# Altium PCB 主控板V3.PcbDoc (continued)
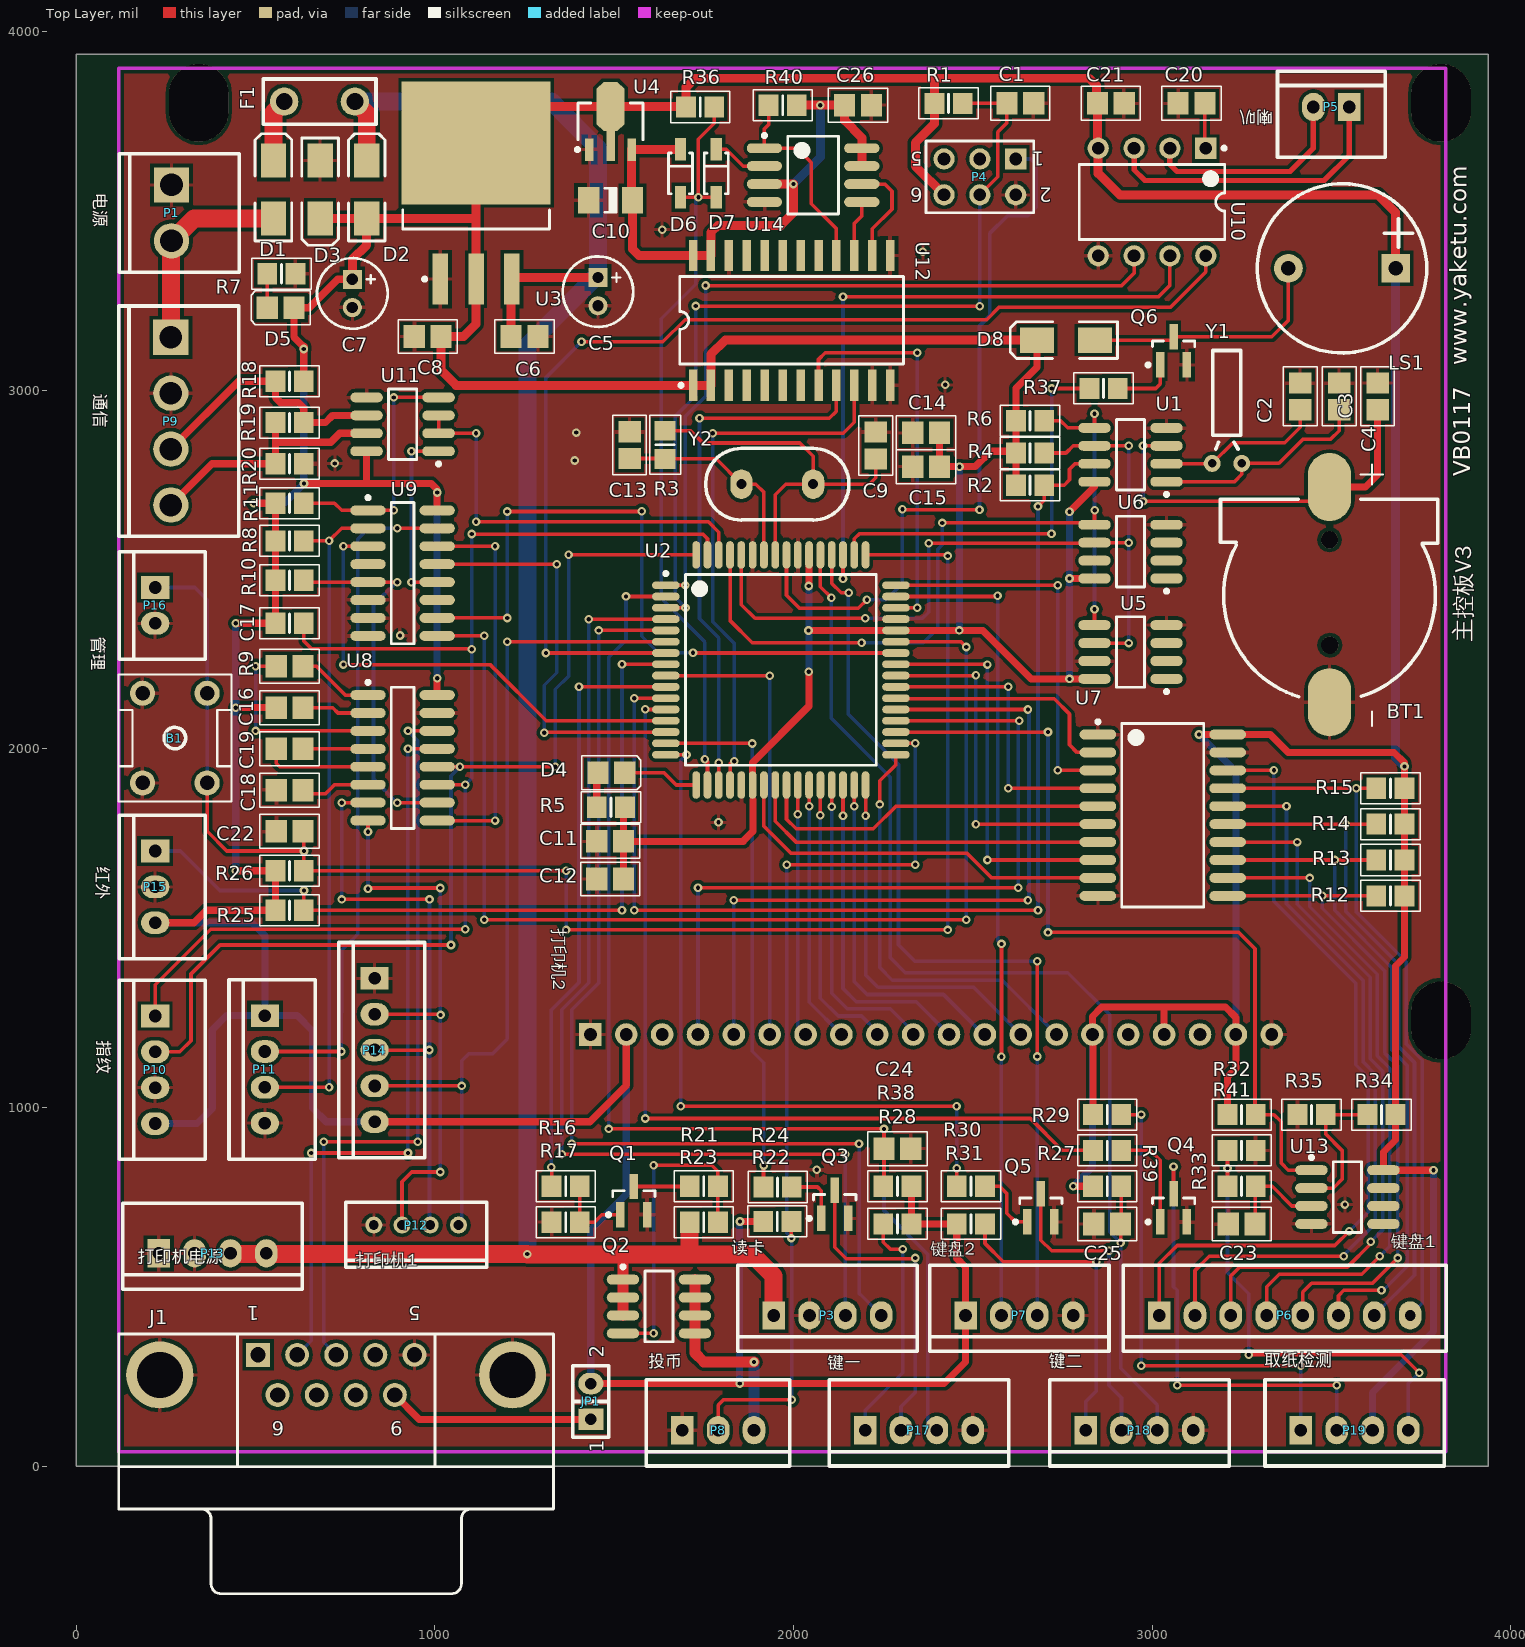
[diagram p0: Top Layer view]
## Nets (pads, with @x,y where several pads share a name; then routed paths per layer and width w, separated by ;. In a path a pad name is that pad's centre, name@x,y a point inside that pad or via, vN(x,y) a via of type N, cw(c..) or ccw(c..) an arc to the next point about the centre after c; other vN are vias at no path point)
4052_A: U2.42 U9.10 | length 1944.5
  Top Layer w10: U9.10 v1(1202,2365) ; v1(1202,2662) v1@1577,2662 ; v1@1720,2267.24 U2.42
  Bottom Layer w10: v1(1202,2365) v1(1202,2662) ; v1(1577,2663) 1577,2314 1623,2268 v1(1720,2268)
4052_B: U2.43 U9.9 | length 3233.4
  Top Layer w10: U9.9 v1(1138,2315) ; v1(1138,1523) v1(2482,1523) ; U2.43 2468.26,2298.74 2468.26,2297.74 v1(2482,2284)
  Bottom Layer w10: v1@1138,1522 v1(1138,1523) v1(1138,2315) ; v1(2482,1523) v1(2482,2284) v1@2482,2285
+3.3V: C10.1 C26.2 D6.2 R40.2 U4.3 U12.23 U12.24 U14.3 U14.7 U14.8 | length 1691.5
  Top Layer w25: D6.2@1684.33,3671.26 U4.3 1549.06,3531.97 C10.1 1551.02,3393.98 1568.9,3376.1 U12.24 U12.23 1770,3440 1790,3460 1965,3460 2000,3495 v1(2000,3575) U14.3 ; R40.2 C26.2 2142.6,3752.4 2190.83,3704.17 U14.8 U14.7
  Bottom Layer w25: v1(2000,3575) 2075,3650 v1(2075,3795)
+12V: D1.1 P1.2 P9.1 | length 580.1
  Top Layer w50: P9.1 263.78,3414.8 P1.2 328.27,3479.29 D1.1
+12V_IN: C5.1 C6.2 D2.2 F1.2 P3.1 P13.3 P13.4 Q2.1 Q2.2 Q2.3 R23.2 U3.3 | length 6387.9
  Top Layer w25: C6.2 1212.6,3307.44 U3.3 ; U3.3@1219.53,3314.37 C5.1
  Top Layer w30: Q2.3 Q2.2 Q2.1 1524.61,589.61
  Top Layer w50: P13.3 432,591 v1(1258,591) ; F1.2 810,3771.85 D2.2 ; v1@1258,590 1525,590 ; 1524.61,589.61 1525,590 ; R23.2 1710.63,590.63 1710,590 ; P3.1 1945,530 1885,590 1710,590 ; 1525,590 1710,590
  Bottom Layer w50: F1.2 1325,3805 1455,3675 C5.1 1446.66,3314.37 1258,3125.71 v1(1258,591)
ADMIN: B1.1 B1.3 C22.2 P16.1 R26.1 U2.49 | length 4441.7
  Top Layer w10: B1.1 365,1770 420,1715 v1@634.37,1715 ; C22.2 634.37,1768.03 v1@634.37,1715 ; v1(635,1715) v1@634.37,1715 ; v1(1366,1495) v1(2430,1495) ; v1(1366,1660) R26.1 v1@634.37,1715 ; U2.49 2427.13,2540.87 v1(2430,2538)
  Bottom Layer w10: P16.1 330,2450 365,2415 B1.3 B1.1 ; v1(1366,1495) v1(1366,1660) ; v1(2430,1495) v1(2430,2538)
BKGD: P4.1 U2.56 | length 2028.7
  Top Layer w10: U2.56 1980.75,2428.25 2017,2392 2181,2392 v1(2205,2416) ; v1@2304,2666.25 v1@2518.75,2666.25
  Bottom Layer w10: v1(2205,2416) 2258,2416 2304,2462 v1(2304,2668) ; v1@2519,2664 2519,3179 2547,3207 2547,3437 2597,3487 2654,3487 2677,3510 2677,3630 2662,3645 P4.1
  other v1: 2519,2667
BUZZER: R37.1 U2.50 | length 1111.9
  Top Layer w10: U2.50 2169.72,2585.72 2184.25,2600.25 v1(2719.75,2600.25) v1@2720,2600 ; v1(2720,3005) R37.1
  Bottom Layer w10: v1@2720,2600 v1(2720,3005)
CLK_INT: R2.1 U1.7 U2.11 | length 3178.7
  Top Layer w10: v1(1556.26,1550) 1955,1550 v1@2681,1550 ; v1(1556.26,2141.26) U2.11 ; v1(2682,2676) 2699.37,2693.37 R2.1 2755,2735 2770,2750 2770,2780 2785,2795 U1.7
  Bottom Layer w10: v1(1556.26,1550) v1(1556.26,2141.26) ; v1(2682,1550) v1(2682,2676)
COIN: P8.2 R22.1 U2.34 | length 2577.6
  Top Layer w10: P8.2 1790,170 1805,185 v1(1995,185) ; v1(1981,1677) v1(2340,1677) ; v1(1994.37,635.63) R22.1 ; U2.34 v1(2339.72,2015.28)
  Bottom Layer w10: v1(1981,1677) 1981,649 v1(1994.37,635.63) ; v1(1995,185) v1@1995,637 ; v1(2339.72,2015.28) 2339.72,1710.28 v1(2340,1677)
COIN_EN: R16.1 U2.10 | length 1667
  Top Layer w10: R16.1 v1@1325.63,833 ; v1@1402,2172.76 U2.10
  Bottom Layer w10: v1(1325,833) 1325,1271.57 1402,1348.57 v1(1402,2173)
DB0: P2.7 U2.26 | length 689.6
  Top Layer w10: v1(2012.24,1817.76) U2.26@2012.24,1884.13
  Bottom Layer w10: v1(2012.24,1817.76) 2012.24,1225 P2.7
DB1: P2.8 U2.27 | length 733
  Top Layer w10: v1(2043.74,1840) U2.27
  Bottom Layer w10: v1(2043.74,1840) 2043.74,1293.5 P2.8
DB2: P2.9 U2.28 | length 785.1
  Top Layer w10: v1(2075,1815) 2075.24,1814.76 U2.28@2075.24,1884.13
  Bottom Layer w10: v1(2075,1815) 2075.24,1814.76 2075.24,1304.76 2125,1255 2190,1255 2233.82,1211.18 P2.9
DB3: P2.10 U2.29 | length 845.1
  Top Layer w10: v1(2106.73,1838.27) U2.29@2106.73,1884.13
  Bottom Layer w10: v1(2106.73,1838.27) 2106.73,1318.27 2150,1275 2270,1275 2333.82,1211.18 P2.10
DB4: P2.11 U2.30 | length 901.1
  Top Layer w10: v1(2138.23,1813.23) U2.30@2138.23,1884.13
  Bottom Layer w10: v1(2138.23,1813.23) 2138.23,1331.77 2175,1295 2342.24,1295 P2.11
DB5: P2.12 U2.31 | length 958.6
  Top Layer w10: v1@2169.72,1839.72 U2.31@2169.72,1884.13
  Bottom Layer w10: v1(2170,1840) 2169.72,1839.72 2169.72,1351.28 2206,1315 2418.28,1315 2529.86,1203.43 P2.12
DB6: P2.13 U2.32 | length 1015.9
  Top Layer w10: v1(2201.22,1813.78) U2.32@2201.22,1884.13
  Bottom Layer w10: v1(2201.22,1813.78) 2201.22,1369.78 2236,1335 2502.24,1335 P2.13
DB7: P2.14 U2.33 | length 1182.5
  Top Layer w10: v1(2241,1845) 2241,1911 2285.87,1955.87 U2.33
  Bottom Layer w10: v1(2241,1845) 2241,1390 2276,1355 2582.24,1355 P2.14
FLASH_MISO: D7.2 U14.2 | length 153.6
  Top Layer w10: D7.2 1813.07,3671.93 1860,3625 U14.2
FLASH_MOSI: U12.15 U14.5 | length 157.5
  Top Layer w10: U12.15 2170,3465 2190.83,3485.83 U14.5
FLASH_SPSCK: U12.14 U14.6 | length 294.1
  Top Layer w10: U14.6 2255,3575 2275,3555 2275,3505 2220,3450 U12.14
FLASH_SS: R40.1 U12.16 U14.1 | length 560
  Top Layer w10: R40.1 1930.63,3740.63 1919.17,3729.17 U14.1 2010,3675 2050,3635 2050,3520 2120,3450 U12.16
GND: B1.2 B1.4 BT1.2 C1.1 C2.2 C3.1 C4.2 C5.2 C6.1 C7.2 C8.1 C9.1 C10.2 C11.1 C12.1 C13.1 C14.1 C15.1 C18.1 C20.2 C21.1 C22.1 C23.1 C24.1 C25.1 C26.1 D3.1 J1.5 J1.10 J1.11 P1.1 P2.1 P2.20 P3.2 P4.2 P7.4 P8.1 P9.2 P10.3 P11.4 P12.4 P13.1 P13.2 P14.1 P15.2 P16.2 P17.4 P18.4 Q1.2 Q3.2 Q4.2 Q5.2 Q6.2 R7.1 R17.1 R20.1 R32.1 R35.1 U1.4 U2.21 U2.45 U2.55 U2.59 U3.1 U4.1 U5.4 U5.7 U6.4 U7.1 U7.10 U7.19 U8.15 U9.6 U9.7 U9.8 U10.5 U11.5 U12.11 U12.12 U12.13 U12.22 U13.4 U14.4
  other v1: 3538,729 2065,826 1791,1795 903,2316 721,2796 1390,2804 1394,2882 2423,3015 2361,3386 1634,3448
IR: P15.1 R25.1 U2.8 | length 2211.6
  Top Layer w10: v1(635,1605) 634.37,1604.37 R25.1 v1(1522,1550) ; v1@1522,2235.75 U2.8
  Bottom Layer w10: P15.1 290,1715 400,1605 v1(635,1605) ; v1(1522,1550) v1(1522,2236)
IRQ: C24.2 P17.3 R38.1 U2.2 | length 3445.5
  Top Layer w10: v1(1485,940) v1(2252.6,940) C24.2 2252.6,781.97 R38.1 ; v1@1533,2424.72 U2.2
  Bottom Layer w10: v1(1485,940) 1485,2255 1533,2303 v1(1533,2425) ; v1(2252.6,940) 2252.6,712.4 2375,590 2375,125 P17.3
KB_H1: U2.38 U7.2 | length 675.5
  Top Layer w10: U2.38@2285.87,2140 2727,2140 2770,2097 2770,2011 2791,1990 U7.2
KB_H2: U2.39 U7.4 | length 845.8
  Top Layer w10: U2.39 v1(2599.24,2172.76) ; v1(2599.24,1890) U7.4
  Bottom Layer w10: v1(2599.24,1890) v1(2599.24,2172.76)
KB_H3: U2.40 U7.6 | length 977.3
  Top Layer w10: U2.40 v1@2508.25,2204.25 ; v1(2509,1790) U7.6
  Bottom Layer w10: v1(2509,1790) v1(2509,2205)
KB_H4: U2.41 U7.8 | length 1107.3
  Top Layer w10: U2.41 v1@2540.25,2235.75 ; v1(2541,1690) U7.8
  Bottom Layer w10: v1(2541,1690) v1(2541,2235)
KB_V1: U2.23 U7.9 | length 1105.9
  Top Layer w10: U2.23 1917.76,1784.24 1993,1709 2484,1709 2514,1679 2514,1678.82 2552.82,1640 U7.9
KB_V2: U2.24 U7.7 | length 1025
  Top Layer w10: U2.24 1949.25,1797.75 2007,1740 U7.7
KB_V3: U2.25 U7.5 | length 985.6
  Top Layer w10: U2.25@1980.75,1884.13 1980.75,1804 2007.75,1777 2223,1777 2286,1840 U7.5
KB_V4: U2.48 U7.3 | length 1081
  Top Layer w10: U2.48 v1@2739,2456.22 ; v1(2737,1940) U7.3
  Bottom Layer w10: v1(2737,1940) v1(2737,2456)
KEY_SCL: P7.3 U2.52 | length 2569.6
  Top Layer w10: U2.52 2106.73,2461.27 2133,2435 v1(2154,2435) ; v1(2680,1142) 2680.31,1142.32 v1@2680.31,1406.68
  Bottom Layer w10: v1@2153,2435 2153,2097 2293,1957 2293,1454 2339,1408 v1(2680,1408) ; P7.3 v1(2680,1142)
KEY_SDO: P7.2 U2.47 | length 2292.8
  Top Layer w10: U2.47 v1@2567,2424.72 ; v1(2580,1141) 2580.31,1141.32 v1(2580.31,1456)
  Bottom Layer w10: v1(2569.28,2427) 2569.28,1467.04 v1(2580.31,1456) ; P7.2 v1(2580,1141)
LCD_E: P2.6 U2.9 | length 1289.7
  Top Layer w10: U2.9 v1@1933.25,2204.25
  Bottom Layer w10: P2.6 1933.82,1545 v1(1933.82,2204)
LCD_RS: P2.4 U2.36 | length 2113
  Top Layer w10: v1@1733.82,1613 v1(2627,1613) ; U2.36 2436.73,2078.27 2627,2078 v1(2630,2078)
  Bottom Layer w10: P2.4 v1(1733.82,1612.82) ; v1(2627,1613) 2627,2075 v1(2630,2078)
LCD_RW: P2.5 U2.37 | length 2097
  Top Layer w10: v1(1833.82,1577.82) v1(2654,1578) ; U2.37 v1(2654,2109.76)
  Bottom Layer w10: P2.5 v1(1833.82,1577.82) ; v1(2654,1578) 2657,1581 2657,2106.76 v1(2654,2109.76)
LED1: R24.1 U2.15 | length 1490.8
  Top Layer w10: U2.15 v1@1884.72,2015.28 ; R24.1 v1@1916.63,838
  Bottom Layer w10: v1(1885,2015) 1885,1157 1917,1125 v1(1917,838)
LED1+: P17.1 R28.1 | length 663.6
  Top Layer w10: R28.1 2250.63,624.37 2270,605 v1(2305,605)
  Bottom Layer w10: P17.1@2198.5,101.5 P17.1 2200,155 2305,260 v1(2305,605)
LED1-: P17.2 Q3.3 | length 895
  Top Layer w10: Q3.3 2115,610 2147,578 2338,578 v1(2340,580)
  Bottom Layer w10: P17.2 2300,165 2340,205 v1(2340,580)
LED2: R30.1 U2.16 | length 2036.3
  Top Layer w10: U2.16 v1(1701.78,1983.78) ; v1(1686,1003) v1(2455,1003) ; R30.1 v1(2455.63,830.37)
  Bottom Layer w10: v1(1686,1003) 1686,1968 v1(1701.78,1983.78) ; v1@2455,831 v1(2455,1003)
LED2+: P18.1 R31.1 | length 868.4
  Top Layer w10: R31.1 2534.37,620.63 2585,570 v1(2845,570)
  Bottom Layer w10: P18.1 2815,180 2845,210 v1(2845,570)
LED2-: P18.2 Q5.3 | length 846.3
  Top Layer w10: Q5.3 2690,630 2720,600 v1(2880,600)
  Bottom Layer w10: v1(2880,600) 2880,225 2915,190 P18.2
LED3: D4.2 U2.17 | length 213.4
  Top Layer w10: D4.2 1639,1933 1672.87,1899.13 U2.17
NetBT1_1: BT1.1 C3.2 U1.3 | length 1086.6
  Top Layer w10: v1(2975,2690) BT1.1@3455,2690 ; v1(2975,2845) U1.3
  Top Layer w20: BT1.1@3455,2690 BT1.1 3595,2730 3629,2764 C3.2
  Bottom Layer w10: v1(2975,2690) v1(2975,2845)
NetC2_1: C2.1 U1.2 Y1.1 | length 463.5
  Top Layer w10: U1.2 3166.66,2795 Y1.1 3225.66,2854 3370,2854 3413,2897 C2.1
NetC4_1: C4.1 U1.1 Y1.2 | length 617
  Top Layer w10: U1.1 3230,2745 3250.34,2765.34 Y1.2 3354,2796 3421,2863 3498,2863 3522,2887 C4.1
NetC9_2: C9.2 R3.1 U2.57 Y2.1 | length 1041.1
  Top Layer w10: R3.1 1713.63,2887.37 1748,2853 2018,2853 2055,2816 Y2.1 ; U2.57 1949.25,2708.25 1979,2738 Y2.1 ; C9.2 2230,2756 2212,2738 Y2.1
NetC13_2: C13.2 R3.2 U2.58 Y2.2 | length 586.8
  Top Layer w10: C13.2 R3.2@1641.03,2809.6 ; R3.2 1784.37,2808.63 Y2.2 1895,2738 1917.76,2715.24 U2.58
NetC16_1: C16.1 U8.5 | length 300.1
  Top Layer w10: C16.1 557.6,1960 567.6,1950 U8.5
NetC16_2: C16.2 U8.4 | length 181.1
  Top Layer w10: C16.2 U8.4
NetC17_1: C17.1 U8.3 | length 551.1
  Top Layer w10: v1(500,2050) U8.3 ; v1(500,2230) C17.1
  Bottom Layer w10: v1(500,2050) v1(500,2230)
NetC17_2: C17.2 U8.1 | length 214.3
  Top Layer w10: C17.2 670,2230 750,2150 U8.1
NetC18_2: C18.2 U8.6 | length 191.5
  Top Layer w10: C18.2@632.4,1875 695,1875 720,1900 U8.6
NetC19_1: C19.1 U8.2 | length 187.4
  Top Layer w10: C19.1 715,2115 730,2100 U8.2
NetC20_1: C20.1 U10.1 | length 122.4
  Top Layer w10: U10.1@3147.4,3677.6 C20.1
NetC23_2: C23.2 R33.2 U13.3 | length 283.8
  Top Layer w10: C23.2 3287.4,778.03 R33.2 3335,780 3390,725 U13.3
NetD1_2: D1.2 F1.1 | length 176.7
  Top Layer w50: D1.2 550,3775 F1.1
NetD4_1: D4.1 R5.1 | length 97.2
  Top Layer w20: R5.1 1451.63,1930.03 D4.1
NetD5_2: D5.2 R7.2 | length 95
  Top Layer w10: D5.2 R7.2
NetD8_1: D8.1 LS1.2 Q6.3 | length 707.2
  Top Layer w10: D8.1 3050.63,3140 Q6.3 3334.37,3149.37 3380.39,3195.39 LS1.2
NetJ1_9: J1.9 JP1.1 | length 574.6
  Top Layer w20: J1.9 956.69,130 JP1.1
NetP5_1: P5.1 U10.3 | length 836.4
  Top Layer w15: U10.3 2950,3615 2980,3585 3480,3585 3550,3655 P5.1
NetP5_2: P5.2 U10.2 | length 595.2
  Top Layer w15: U10.2 3050,3630 3070,3610 3385,3610 3450,3675 P5.2
NetP6_1: P6.1 U7.18 | length 2257.1
  Top Layer w10: P6.1 3020,565 3070,615 3510,615 v1(3550,655) ; U7.18 v1(3340,1940)
  Bottom Layer w10: v1(3340,1940) 3340,1575.15 3568.58,1346.56 3568.58,1118.76 3603,1084.34 3603,708 v1(3550,655)
NetP6_2: P6.2 U7.16 | length 2114.6
  Top Layer w10: P6.2 3120,545 3160,585 v1(3535,585) ; U7.16 v1(3375,1840)
  Bottom Layer w10: v1(3375,1840) 3375,1568.43 3588.58,1354.85 3588.58,1127.04 3623,1092.62 3623,676.18 3535,588.18 v1(3535,585)
NetP6_3: P6.3 U7.14 | length 1963.4
  Top Layer w10: U7.14 v1(3405,1740) ; P6.3 3220,530 3245,555 3545,555 3610,620 v1(3610,625)
  Bottom Layer w10: v1(3405,1740) 3405,1566.72 3608.58,1363.13 3608.58,1135.32 3643,1100.91 3643,658 v1(3610,625)
NetP6_4: P6.4 U7.12 | length 1818.1
  Top Layer w10: U7.12 v1(3440,1640) ; P6.4 3320,500 3355,535 3585,535 v1(3635,585)
  Bottom Layer w10: v1(3440,1640) 3440,1560 3628.58,1371.42 3628.58,1143.61 3663,1109.19 3663,613 v1(3635,585)
NetP6_5: P6.5 R12.2 U7.11 | length 1880.9
  Top Layer w10: U7.11 v1(3475,1590) R12.2 ; P6.5 3420,485 3445,510 3615,510 v1(3685,580)
  Bottom Layer w10: v1(3475,1590) 3475,1555 3648.58,1381.42 3648.58,1151.89 3685,1115.48 v1(3685,580)
NetP6_6: P6.6 R13.2 U7.13 | length 1917.2
  Top Layer w10: U7.13 v1(3510,1690) R13.2 ; P6.6 3520,475 3535,490 v1@3645,490
  Bottom Layer w10: v1(3510,1690) 3510,1550 3520,1540 3520,1538.28 3668.58,1389.7 3668.58,1160.18 3712,1116.76 3712,557 3645,490 v1(3640,490)
NetP6_7: P6.7 R14.2 U7.15 | length 1910.4
  Top Layer w10: U7.15 R14.2
  Bottom Layer w10: v1(3540,1790) 3540,1546.57 3688.58,1397.99 3688.58,1168.46 3732,1125.04 3732,532 P6.7
NetP6_8: P6.8 R15.2 U7.17 | length 1974.8
  Top Layer w10: U7.17 R15.2
  Bottom Layer w10: v1(3570,1890) 3570,1544.85 3708.58,1406.27 3708.58,1176.75 3754,1131.33 3754,454 P6.8
NetP8_3: P8.3 Q2.5 Q2.6 Q2.7 Q2.8 | length 575
  Top Layer w30: Q2.8 Q2.7 Q2.6 Q2.5 1725.39,315 1750,290.39 1889.61,290.39 v1(1890,290)
  Bottom Layer w10: v1(1890,290) v1@1890,295
  Bottom Layer w30: P8.3 v1(1890,290)
NetP9_3: P9.3 R18.1 R19.2 U11.6 | length 730.6
  Top Layer w20: P9.3 452.99,3025 R18.1 555.63,2979.37 570,2965 620,2965 634.37,2950.63 R19.2 695,2910 715,2930 U11.6
NetP9_4: P9.4 R19.1 R20.2 U11.7 | length 718.9
  Top Layer w20: P9.4 378.9,2795 R20.2 555.63,2855 ; R19.1 555.63,2855 ; U11.7 735,2880 710,2855 555.63,2855
NetQ1_1: Q1.1 R16.2 R17.2 | length 221.8
  Top Layer w10: R16.2 R17.2 1445,680 1465.63,700.63 Q1.1
NetQ1_3: Q1.3 R21.1 | length 155
  Top Layer w10: Q1.3 R21.1@1710,779.37
NetQ2_4: Q2.4 R21.2 R23.1 | length 882.6
  Top Layer w10: Q2.4 v1(1610,370) ; v1(1610,839) 1772,839 1789.37,821.63 R21.2 R23.1
  Bottom Layer w10: v1(1610,370) v1(1610,839)
NetQ3_1: Q3.1 R24.2 | length 163.4
  Top Layer w10: R24.2 2067,778 2077.6,767.4 Q3.1
NetQ4_1: Q4.1 R27.2 | length 291.4
  Top Layer w10: R27.2 2995,880 3022.6,852.4 Q4.1
NetQ5_1: Q5.1 R30.2 | length 191.6
  Top Layer w10: R30.2 2575,780 2595,760 2595,705 2619.37,680.63 Q5.1
NetQ6_1: Q6.1 R37.2 | length 176.5
  Top Layer w10: R37.2 3010,3005 3022.6,3017.6 Q6.1
NetR34_1: R34.1 R35.2 U13.2 | length 410.9
  Top Layer w10: U13.2 3505,775 3530,800 3530,880 3484.37,925.63 R35.2 R34.1
PAPER: R41.1 U2.35 U13.1 | length 2329.6
  Top Layer w10: U2.35 2491.77,2046.77 v1(2710,2047) ; v1(2710,1488) 3242,1488 3287.32,1442.68 3287.32,982.05 R41.1 3340,980 3360,960 3360,845 3380,825 U13.1
  Bottom Layer w10: v1(2710,1488) v1(2710,2047)
PAPER_EN: R27.1 U2.12 | length 2483.6
  Top Layer w10: v1(1587,969) 2661,969 2750,880 R27.1 ; v1@1587,2109.76 U2.12
  Bottom Layer w10: v1(1587,969) v1(1587,2110)
PAPER_LED_IN+: C7.1 C8.2 C11.2 C12.2 C14.2 C15.2 C19.2 C21.2 D2.1 D3.2 D5.1 D8.2 JP1.2 LS1.1 P2.2 P2.15 P2.17 P2.19 P4.6 P7.1 P10.4 P11.1 P14.5 P15.3 P19.3 R1.2 R2.2 R4.2 R5.2 R6.2 R8.2 R9.2 R10.2 R11.2 R12.1 R13.1 R14.1 R15.1 R18.2 R22.2 R25.2 R26.2 R28.2 R29.2 R31.2 R34.2 R36.1 R38.2 R39.2 R41.2 U1.8 U2.22 U2.44 U2.54 U3.2 U3.4 U4.0 U4.2 U5.8 U6.8 U7.20 U8.16 U9.16 U10.4 U11.8 U12.1 U12.2 U13.8 | length 26943
  Top Layer w20: P15.3 328,1515 363,1550 R25.2 R26.2 v1(445,1660) ; v1(445,2115) C19.2 ; v1(445,2350) R9.2 R10.2 R8.2 R11.2 v1(495,2685) ; R18.2 v1(634.37,3115) ; v1@634.37,3120.63 607.4,3147.6 D5.1 650,3230 729.37,3309.37 C7.1 ; v1(635,2740) 805,2740 ; U11.8 809.61,2744.61 805,2740 ; P14.5 1433,960 1533.82,1060.82 P2.2 ; U8.16 v1(1006.46,2196.46) ; U9.16 v1(1006.46,2715) 1006.46,2723.54 990,2740 805,2740 ; JP1.2 v1(1850,230) 2420,230 2480,290 P7.1 2480,555 2455.63,579.37 R31.2 R28.2 R38.2 ; C12.2 C11.2 ; R5.2 1526.4,1833.03 C11.2 ; v1(1851,682) R22.2 ; 1861,1742 C11.2 ; 1862,1745 1886.93,1769.93 1886.93,1858.81 ; U2.22 1886.26,1962.26 2043,2119 v1(2043,2215) ; v1@2042,2330.24 U2.44 v1(2462.76,2330.24) 2527.76,2330.24 2663,2195 v1(2770,2195) U5.8 ; v1(2043,2454) 2043.24,2472.24 2043.24,2540.36 U2.54 ; C14.2 C15.2 2507,2787 2550,2830 2615.63,2830 R4.2 ; R2.2 R4.2 ; D8.2 2679.29,3064.29 2620.63,3005.63 R6.2 R4.2 ; v1(2770,2475) U6.8 ; v1(2770,2661) 2839.61,2730.61 U1.8 ; v1(2780,780) R39.2 ; P2.15 2833.82,1253.82 2860,1280 3032.5,1280 ; R29.2 P2.15@2835.63,1201.61 ; P2.17 3033.82,1278.68 3032.5,1280 ; v1(3131,2040) U7.20 3330,2040 3380,1990 3675,1990 3704,1961 v1(3704,1951) ; R41.2 3210.63,1085.63 3233.82,1108.82 P2.19 3233.82,1251.18 3205,1280 3032.5,1280 ; v1@3704.37,1950 R15.1 R14.1 R13.1 R12.1 3704.37,1419.37 3679.37,1394.37 R34.2 3679.37,909.37 3645.39,875.39 U13.8 v1(3785,825)
  Top Layer w25: v1(634.37,3115) v1@634.37,3120.63 ; D3.2 D2.1 ; C7.1 770,3365 810,3405 D2.1 ; P4.6 2340,3625 2340,3690 2393.23,3743.23 R1.2 2393.23,3868.37 2395,3870.14 ; D8.2 1810,3140 1770,3100 U12.2 U12.1 1059.3,3013.9 1017.4,3055.8 C8.2 1080,3150 1115,3185 U3.2 1115,3480 ; U10.4@2847.6,3677.4 C21.2 2845,3802.6 2845,3850.14 2825,3870.14 2395,3870.14 ; U10.4 2850,3605 2910,3545 3630,3545 3679.61,3495.39 LS1.1 ; D2.1 1114.29,3479.29 1115,3480 ; 1115,3480 U3.4 1115,3720 1186.34,3791.34 U4.0 1699.29,3791.34 R36.1 1700.63,3845.63 1725.14,3870.14 2395,3870.14
  Bottom Layer w20: P10.4 337,955 379,997 379,1216 419,1256 P11.1 ; P15.3 490,1515 526,1479 P11.1 ; v1(445,1660) v1(445,2115) v1(445,2350) ; v1(495,2685) 580,2685 634.37,2739.37 v1(634.37,3115) ; P14.5 697,960 659,998 659,1213 616,1256 P11.1 ; v1(1006.46,2196.46) v1(1006.46,2715) ; JP1.2 1435,658 1533.82,756.82 P2.2 ; v1(1850,230) v1@1850,682 ; v1(2043,2215) v1(2043,2454) ; v1@2463,2330 v1(2463,2787) ; v1(2770,2195) v1(2770,2475) v1(2770,2661) ; v1(2780,780) 2833.82,833.82 P2.15 ; v1(3131,2040) 3233.82,1937.18 P2.19 ; P19.3 3615,205 3785,375 v1(3785,825)
  Bottom Layer w25: LS1.1 3679.61,1975.39 v1(3704,1951)
  other v1: 2042,2330
PAPER_LED_IN-: P19.4 R32.2 R33.1 | length 1312.7
  Top Layer w10: R33.1 v1(3210.63,830) R32.2 ; v1(3270,310) 3695,310 v1(3745,260)
  Bottom Layer w10: v1(3210.63,830) 3210.63,539.37 3270,480 v1(3270,310) ; P19.4 3715,230 v1(3745,260)
PAPER_LED_OUT+: P19.1 R29.1 | length 1380.6
  Top Layer w10: R29.1 v1(2970,980) ; v1(2970,280) v1(3415,280)
  Bottom Layer w10: v1(2970,280) v1(2970,980) ; P19.1 v1(3415,280)
PAPER_LED_OUT-: P19.2 Q4.3 | length 1259.8
  Top Layer w10: Q4.3 v1(3060,835) ; v1(3070,225) v1(3515,225)
  Bottom Layer w10: v1(3060,835) 3060,500 3070,490 v1(3070,225) ; P19.2 v1(3515,225)
PRINTER_BUSY: P12.1 P14.4 U2.6 | length 2407.1
  Top Layer w10: P14.4 v1(1075,1060) ; v1@1202,2298.74 U2.6
  Bottom Layer w10: P12.1 1075,681 1075,1130 1095,1150 1161,1150 1202,1191 v1(1202,2299)
RESET: C1.2 P4.4 R1.1 U2.3 | length 2456.3
  Top Layer w10: U2.3 1704.77,2393.23 1704.54,2393 v1(1699,2393) ; v1@1728,3234 1728.23,3233.77 2519.77,3233.77 v1(2520,3234) ; R1.1 C1.2 2595.2,3745.2 2570,3720 2570,3595 P4.4
  Bottom Layer w10: v1(1699,2393) 1671,2421 1671,2928 1728,2985 v1(1728,3235) ; v1(2520,3234) P4.4
RS485: U2.62 U11.2 U11.3 | length 1175.7
  Top Layer w10: U11.3 U11.2 v1(1115,2880) ; v1(1115,2633) 1763,2633 1791.77,2604.23 U2.62 U2.62@1791.77,2525.87
  Bottom Layer w10: v1@1115,2626 v1(1115,2880)
RX1: J1.2 U8.13 | length 2057.7
  Top Layer w10: v1(655,873) v1(925,873) ; v1(925,2000) U8.13
  Bottom Layer w10: J1.2 655,348.98 v1(655,873) ; v1(925,873) v1(925,2000)
RX2: P12.3 P14.2 U8.8 | length 1628.5
  Top Layer w10: v1(813.54,1610) 815.54,1612 v1(1015,1612) ; v1(813.54,1768.54) U8.8 ; P14.2 1014,1260 v1(1016,1258) ; P12.3 908.52,792.52 936,820 v1@1016,820
  Bottom Layer w10: 813.54,1630 v1(813.54,1610) v1(813.54,1768.54) ; v1(1015,820) v1(1015,1612)
RXD1: U2.14 U9.13 | length 1157.2
  Top Layer w10: U9.13 v1(1340,2515) ; v1@1305,2046.77 U2.14
  Bottom Layer w10: v1(1305,2045) 1305,2177 1340,2212 v1(1340,2515)
RXD2: P10.2 U2.64 U8.12 | length 2857.6
  Top Layer w10: P10.2 289,1155 320,1186 320,1372 401,1453 v1(1045,1453) ; U8.12 v1(1070,1950) v1(1336,1950) ; v1@1373,2540.87 U2.64 ; U2.64@1727.91,2525 U2.64@1728.78,2525.87
  Bottom Layer w10: v1(1045,1453) 1045,1925 v1(1070,1950) ; v1(1336,1950) 1336,2166 1373,2203 v1(1373,2541)
SCL: R4.1 U1.6 U2.60 U5.6 U6.6 | length 2323.8
  Top Layer w10: U2.60 1854.76,2402.24 1893,2364 v1(2200,2364) ; v1@2377,2573.25 2837.86,2573.25 U6.6 v1(2935,2575) ; R4.1 2760,2825 2780,2845 U1.6 v1(2935,2845) ; U5.6 v1(2935,2295)
  Bottom Layer w10: v1(2200,2364) 2360,2364 2377,2381 v1(2377,2573) ; v1(2935,2295) v1(2935,2575) v1(2935,2845)
SDA: R6.1 U1.5 U2.61 U5.5 U6.5 | length 2353.4
  Top Layer w10: U2.61 1823.27,2357.73 1885,2296 v1(2190,2296) ; v1(2415,2630) 2834.61,2630 U6.5 2839.61,2664.61 v1(2840,2665) ; R6.1 2745,2915 2765,2895 U1.5 v1(2839.61,2934.8) v1@2839.61,2939.61 ; U5.5 v1(2839.61,2389.61)
  Bottom Layer w10: v1(2190,2296) 2362,2296 2403,2337 2403,2557 2415,2569 v1(2415,2630) v1@2415,2631 ; v1@2839.61,2390.39 v1(2839.61,2934.8)
SPI_MISO: D6.1 D7.1 R36.2 U2.18 | length 2105.9
  Top Layer w10: D6.1 v1(1735,3538.07) ; v1(1753.24,1971.24) 1760.28,1964.21 U2.18 ; R36.2 1779.37,3744.37 1735,3700 v1(1735,3538.07) ; D7.1 v1(1735,3538.07)
  Bottom Layer w10: v1(1735,3538.07) 1728,3531.07 1728,3296 1631,3199 1631,2420 1753.24,2297.76 v1(1753.24,1971.24)
SPI_MOSI: U2.19 U12.9 | length 1509.5
  Top Layer w10: v1(1738,2922) 2100,2922 2119,2941 2119,3012.9 U12.9 ; U2.19 v1(1791.77,1961) v1@1791.77,1963.23
  Bottom Layer w10: v1(1738,2922) 1738,2362.72 1791.77,2308.94 v1(1791.77,1961)
SPI_S1: U2.46 U12.8 | length 1125.9
  Top Layer w10: U12.8 2070,3086 2089,3105 v1(2345,3105) ; U2.46 v1(2345,2393.23)
  Bottom Layer w10: v1(2345,2393.23) v1(2345,3105)
SPI_SPSCK: U2.20 U12.10 | length 1523.9
  Top Layer w10: v1(1775,2880) 2139,2880 2170,2911 U12.10 ; U2.20 1823.27,1957.73 1830.54,1965 v1(1835,1965)
  Bottom Layer w10: v1(1775,2880) 1775,2354 1835,2294 v1(1835,1965)
TX1: J1.3 U8.14 | length 2109.2
  Top Layer w10: v1(690,904) v1(952,904) ; v1(925,2050) U8.14
  Bottom Layer w10: v1(690,904) 690,344.92 J1.3 ; v1(925,2050) 952,2023 v1(952,904)
TX2: P12.2 P14.3 U8.7 | length 1649.5
  Top Layer w10: v1(740,1580) v1(985,1580) ; v1(740,1850) U8.7 ; P14.3 v1(984,1160)
  Bottom Layer w10: v1(740,1580) v1(740,1850) ; v1(985,1580) 985,674.26 P12.2
TXD1: U2.13 U9.3 | length 1362.6
  Top Layer w10: v1(745,2235) 1154,2235 1310.73,2078.27 U2.13 ; v1(745,2565) U9.3
  Bottom Layer w10: v1(745,2235) v1(745,2565)
TXD2: P10.1 R9.1 U2.63 U8.11 | length 3453.9
  Top Layer w10: P10.1 220,1342 374.82,1496.82 v1(1085,1496.82) ; R9.1 634.37,2300.63 656,2279 v1@1103,2279 ; U8.11 v1(1085,1900) ; v1(1103,2599) 1747,2599 1760.28,2585.72 U2.63 U2.63@1760.28,2525.87
  Bottom Layer w10: v1(1085,1496.82) v1(1085,1900) 1103,1918 v1(1103,2599)
  other v1: 1103,2278
UKEY: C25.2 P18.3 R39.1 U2.53 | length 3251.1
  Top Layer w10: U2.53 2075.24,2451.76 v1(2106,2421) ; v1(2912.4,622.4) C25.2 ; C25.2@2914.37,676.97 R39.1
  Bottom Layer w10: v1(2106,2421) 2106,2085 2270,1921 2270,1418 2312,1376 2765,1376 2882,1259 2882,652.8 v1(2912.4,622.4) 2912.4,272.6 3015,170 P18.3
VOICE_BUSY: U2.7 U10.8 | length 3110
  Top Layer w10: v1(1309.76,2267.24) U2.7 ; v1(1409,3135) 1636,3135 1698,3197 2539,3197 2573,3231 3051,3231 3150,3330 U10.8
  Bottom Layer w10: v1(1309.76,2267.24) 1309.76,3035.76 v1(1409,3135)
VOICE_CS: U2.1 U10.6 | length 2171.8
  Top Layer w10: U2.1 v1(1698.78,2456.22) ; v1(1755,3292) 2916,3292 2950,3326 U10.6
  Bottom Layer w10: v1(1698.78,2456.22) 1698.78,2927.5 1755,2983.72 v1(1755,3292)
VOICE_DI: U2.51 U10.7 | length 1860.2
  Top Layer w10: v1(2138.23,2474.23) U2.51 ; v1@2138.23,3261 3018,3261 3050,3293 U10.7
  Bottom Layer w10: v1(2138.23,2474.23) v1(2138.23,3260.77)
WG_D0: P3.3 U2.4 | length 2978.9
  Top Layer w10: v1(1354,869) v1(2145,869) ; v1(1429,2361.73) U2.4
  Bottom Layer w10: v1(1354,869) 1354,1272.28 1429,1347.28 v1(1429,2361.73) ; P3.3 v1(2145,869)
WG_D1: P3.4 U2.5 | length 2961.9
  Top Layer w10: v1(1382,899) v1(2183,899) ; v1@1450.24,2330.24 v1(1457,2330.24) U2.5
  Bottom Layer w10: v1(1382,899) 1382,1272 1457,1347 v1(1457,2330.24) ; v1(2183,899) 2183,482 2193,472 P3.4
X0: U9.12 U11.1 | length 511.9
  Top Layer w10: v1(935,2465) U9.12 ; v1(935,2830) U11.1
  Bottom Layer w10: v1(935,2465) v1(935,2830)
X1: U8.9 U9.14 | length 1088.1
  Top Layer w10: U8.9 v1(1168,1800) ; U9.14 v1(1168,2565)
  Bottom Layer w10: v1(1168,1800) v1(1168,2565)
X2: P11.2 U9.15 | length 1893.5
  Top Layer w10: P11.2 v1(739,1156) ; v1(895,2615) U9.15
  Bottom Layer w10: v1(739,1156) 739,1265 ; 740,1266 740,1438 785,1483 785,2585 815,2615 v1(895,2615)
Y0: R11.1 U9.1 U11.4 | length 699.3
  Top Layer w10: R11.1 720,2685 740,2665 U9.1 v1(885,2665) ; v1(885,2980) U11.4
  Bottom Layer w10: v1(885,2665) v1(885,2980)
Y1: R10.1 U8.10 U9.5 | length 1042.9
  Top Layer w10: R10.1@634.37,2465 U9.5 v1(895,2465) ; v1(895,1850) U8.10
  Bottom Layer w10: v1(895,1850) 829,1916 829,2401 893,2465 v1(895,2465)
Y2: P11.3 R8.1 U9.2 | length 1896.7
  Top Layer w10: P11.3 v1(705,1056) ; R8.1 v1(705,2580) 740,2615 U9.2
  Bottom Layer w10: v1(705,1056) v1(705,2580)
pads on no net: BT1. J1.1 J1.4 J1.6 J1.7 J1.8 P2.0 P2.3 P2.16 P2.18 P4.3 P4.5 U5.1 U5.2 U5.3 U6.1 U6.2 U6.3 U6.7 U9.4 U9.11 U12.3 U12.4 U12.5 U12.6 U12.7 U12.17 U12.18 U12.19 U12.20 U12.21 U13.5 U13.6 U13.7

## Polygon pours and split planes (outlines as drawn)
GND on Bottom Layer "Top Layer-No Net" (solid, remove dead copper, pour order 8): 0,3937.01 3937.01,3937.01 3937.01,0 0,0
GND on Top Layer "Top Layer-No Net" (solid, remove dead copper, pour order 10): 0,0 3937.01,0 3937.01,3937.01 0,3937.01

## Keep-outs
Keep-Out Layer:
  lines w10: 118.11,39.37 3818.9,39.37 3818.9,3897.64 118.11,3897.64 118.11,39.37

## Silkscreen, mask and mechanical layers (free items; w line width, h text height)
Top Overlay:
  text "喇叭" at 3338,3790 h60 r180
  text "1、四周4个安装孔不镀锡，请一定注意！！！" at 4099.76,3761.65 h150
  text "电源" at 38,3550 h60 r270
  text "2、过孔盖油" at 4114.76,3541.65 h150
  text "3、机械层为板边界" at 4114.76,3344.8 h150
  text "www.yaketu.com" at 3893,3070 h80 r90
  text "通信" at 38,2990 h60 r270
  text "VB0117" at 3903,2760 h80 r90
  text "管理" at 32,2312 h60 r270
  text "主控板V3" at 3905,2298 h80 r90
  text "红外" at 44,1672 h60 r270
  text "打印机2" at 1318,1498 h60 r270
  text "指纹" at 48,1188 h60 r270
  text "键盘1" at 3667,598 h60
  text "读卡" at 1826,579 h60
  text "键盘2" at 2383,576 h60
  text "打印机电源" at 172,554 h60
  text "打印机1" at 781,546 h60
  text "取纸检测" at 3313,266 h60
  text "投币" at 1595,263 h60
  text "键二" at 2712,263 h60
  text "键一" at 2095,259 h60
Top Solder:
  region: 3294,2942 3294,3108 3217,3108 3217,2942
  rectangle: 1719,2715 1803,2781
Mechanical 1:
  the board outline again, w10

## Text inside footprints (layer, text, board x,y; h text height)
J1: Top Overlay "1" at 510,445 h40 r180; Top Overlay "5" at 960,445 h40 r180; Top Overlay "9" at 910,125 h40 r180; Top Overlay "6" at 580,125 h40 r180
JP1: Top Overlay "1" at 1470.43,38.27 h40 r90; Top Overlay "2" at 1470.43,302.05 h40 r90
P2: Bottom Overlay "20" at 3373.19,1252.64 h40; Bottom Overlay "1" at 1444.06,1252.64 h40; Bottom Overlay "LCD12864" at 2802.32,2427.83 h40
P4: Top Overlay "1" at 2700,3665 h40 r180; Top Overlay "2" at 2720,3565 h40 r180; Top Overlay "5" at 2360,3665 h40 r180; Top Overlay "6" at 2360,3565 h40 r180